# Altium PCB GridSeed_Rev03.PcbDoc (part 1 of 5) (continued)
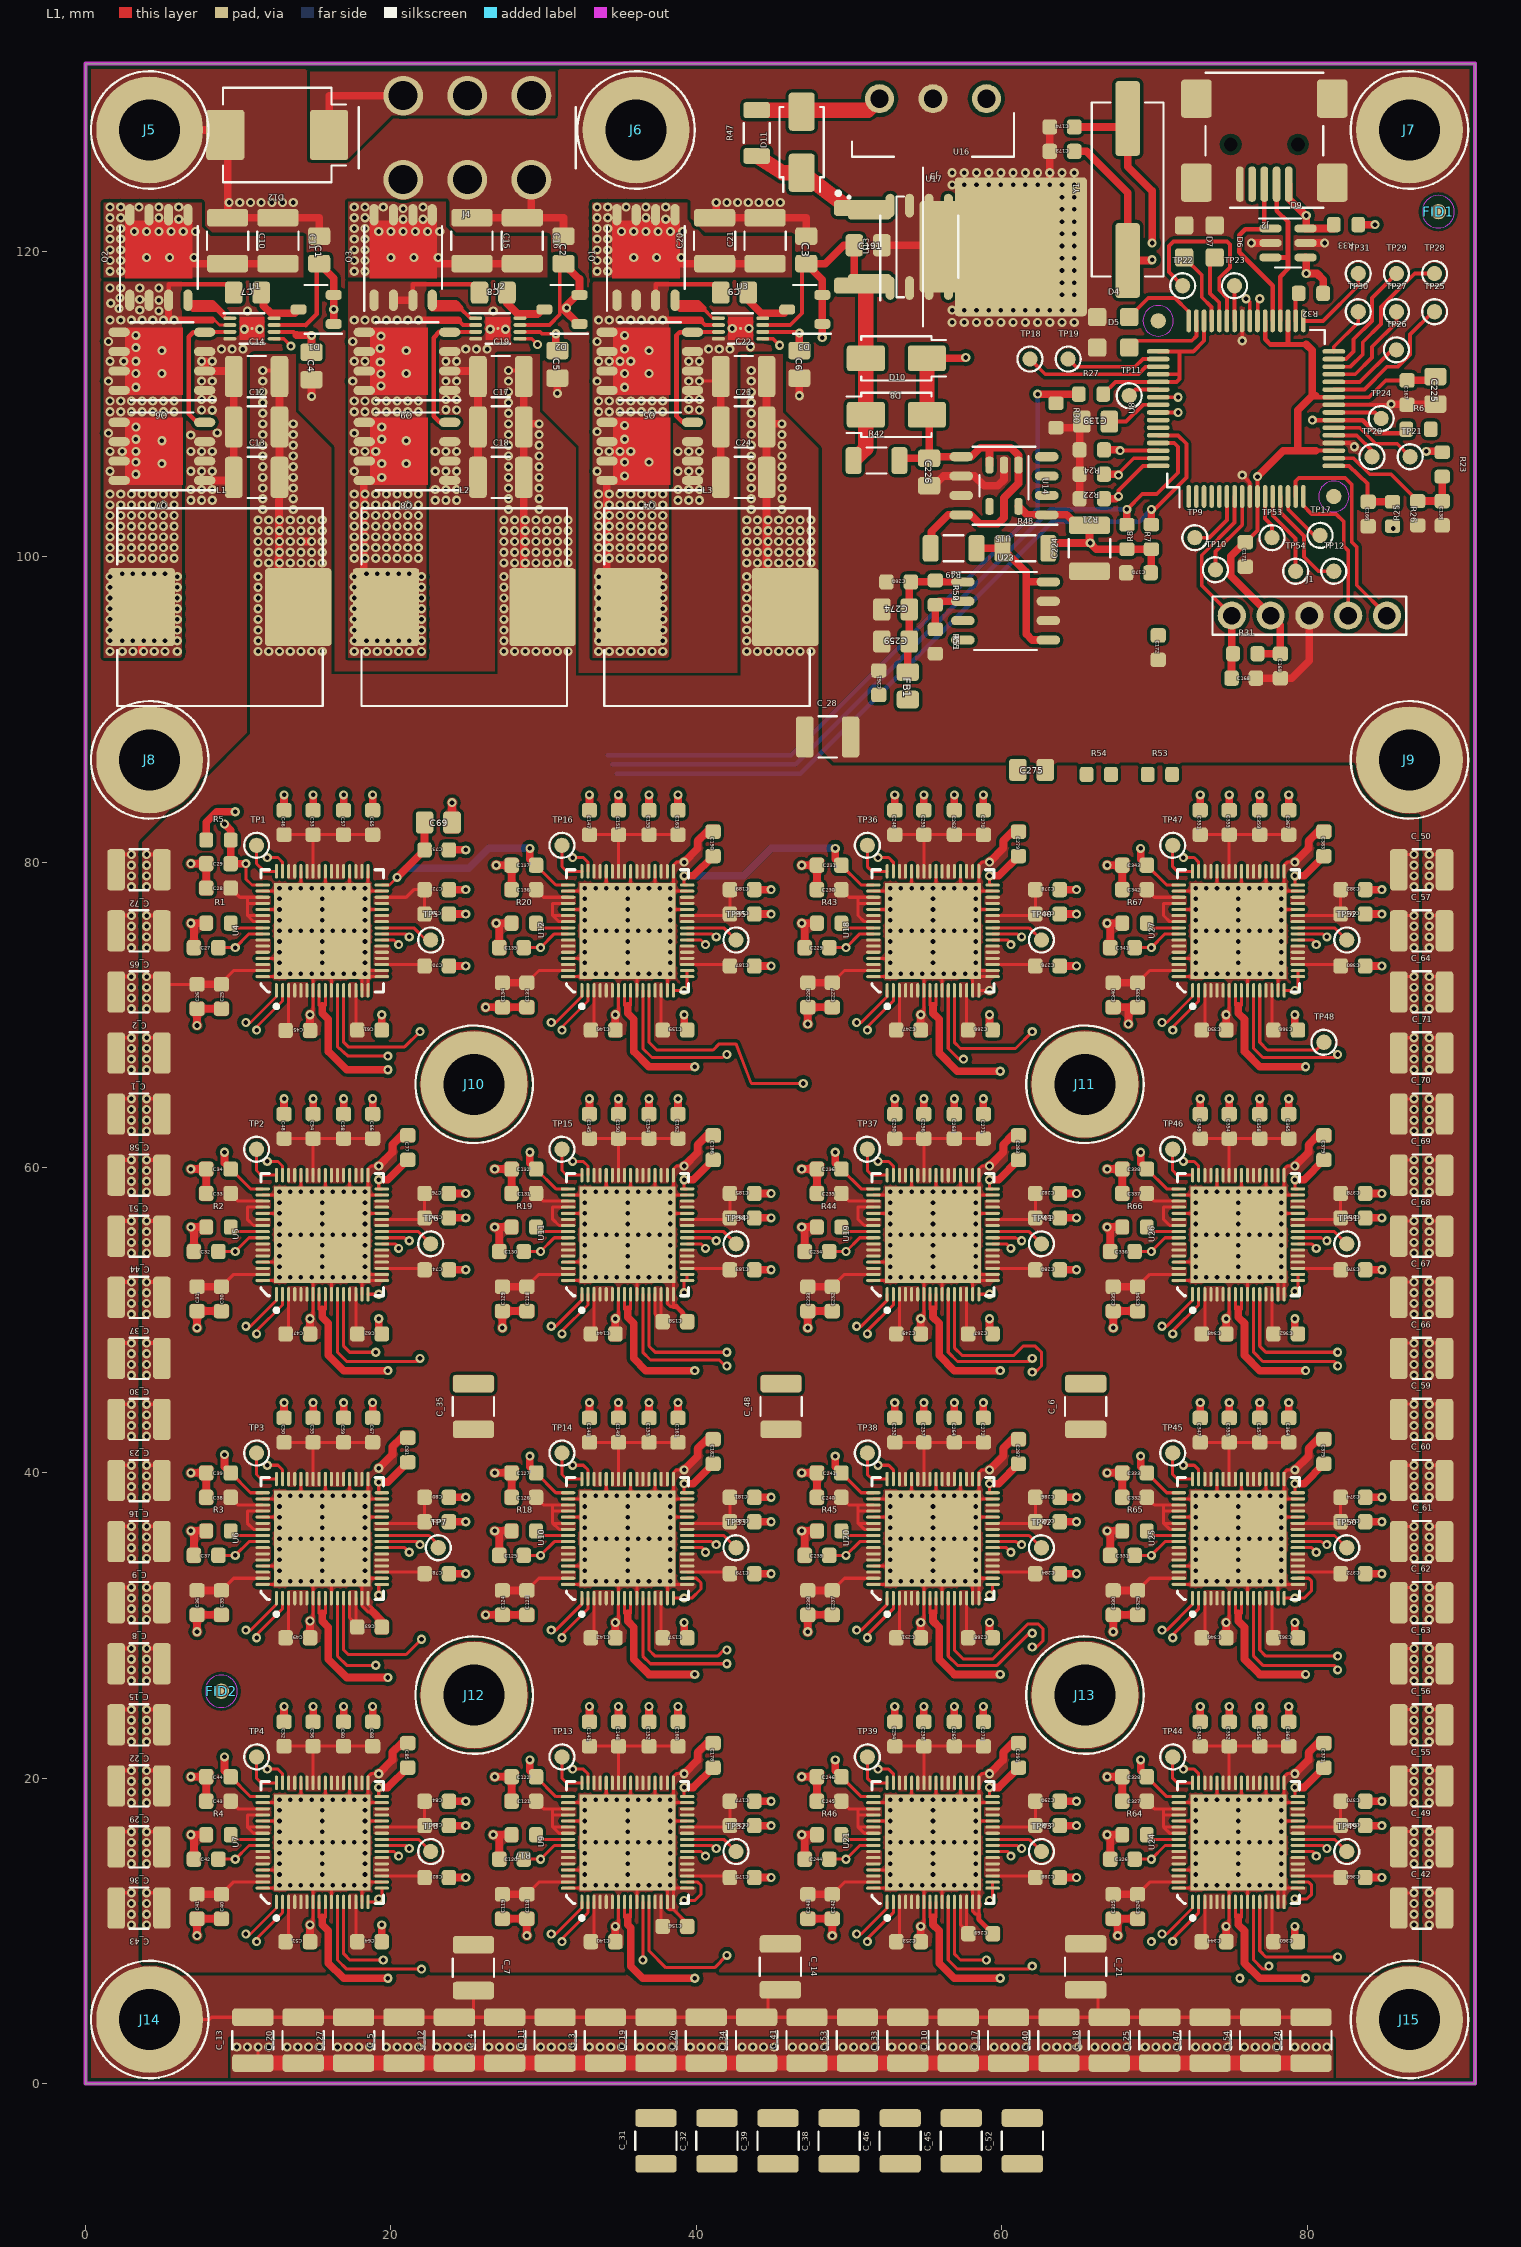
[diagram p0: L1 view]
## Design rules (kind name [scope] priority, off if disabled: settings) (continued)
PolygonConnect "Polygon Connect Style - L4 Square-rect thru-hole pad from global defaults" [IsPad And OnMultiLayer And (PadShape_BottomLayer = 'Rounded Rectangle') And (PadXSize_BottomLayer = PADYSize_BottomLayer) And (Pad_CornerRadius_BottomLayer = '0%') vs Layer = 'L4'] p35: connectstyle=Relief reliefconductorwidth=0.5 reliefentries=4 polygonreliefangle="90 Angle" airgapwidth=0.254
PolygonConnect "Polygon Connect Style - L3 Rect thru-hole pad from global defaults" [IsPad And OnMultiLayer And ((PadShape_MidLayer2 = 'Rectangular') Or (PadShape_MidLayer2 = 'Octagonal') Or (PadShape_MidLayer2 = 'Rounded Rectangle')) And (PadXSize_MidLayer2 <> PADYSize_MidLayer2) vs Layer = 'L3'] p36: connectstyle=Relief reliefconductorwidth=0.5 reliefentries=4 polygonreliefangle="90 Angle" airgapwidth=0.254
PolygonConnect "Polygon Connect Style - L3 Square-rect thru-hole pad from global defaults" [IsPad And OnMultiLayer And (PadShape_MidLayer2 = 'Rounded Rectangle') And (PadXSize_MidLayer2 = PADYSize_MidLayer2) And (Pad_CornerRadius_MidLayer2 = '0%') vs Layer = 'L3'] p37: connectstyle=Relief reliefconductorwidth=0.5 reliefentries=4 polygonreliefangle="90 Angle" airgapwidth=0.254
PolygonConnect "Polygon Connect Style - L2 Rect thru-hole pad from global defaults" [IsPad And OnMultiLayer And ((PadShape_MidLayer1 = 'Rectangular') Or (PadShape_MidLayer1 = 'Octagonal') Or (PadShape_MidLayer1 = 'Rounded Rectangle')) And (PadXSize_MidLayer1 <> PADYSize_MidLayer1) vs Layer = 'L2'] p38: connectstyle=Relief reliefconductorwidth=0.5 reliefentries=4 polygonreliefangle="90 Angle" airgapwidth=0.254
PolygonConnect "Polygon Connect Style - L2 Square-rect thru-hole pad from global defaults" [IsPad And OnMultiLayer And (PadShape_MidLayer1 = 'Rounded Rectangle') And (PadXSize_MidLayer1 = PADYSize_MidLayer1) And (Pad_CornerRadius_MidLayer1 = '0%') vs Layer = 'L2'] p39: connectstyle=Relief reliefconductorwidth=0.5 reliefentries=4 polygonreliefangle="90 Angle" airgapwidth=0.254
PolygonConnect "Polygon Connect Style - L1 Rect thru-hole pad from global defaults" [IsPad And OnMultiLayer And ((PadShape_TopLayer = 'Rectangular') Or (PadShape_TopLayer = 'Octagonal') Or (PadShape_TopLayer = 'Rounded Rectangle')) And (PadXSize_TopLayer <> PADYSize_TopLayer) vs Layer = 'L1'] p40: connectstyle=Relief reliefconductorwidth=0.5 reliefentries=4 polygonreliefangle="90 Angle" airgapwidth=0.254
PolygonConnect "Polygon Connect Style - L1 Square-rect thru-hole pad from global defaults" [IsPad And OnMultiLayer And (PadShape_TopLayer = 'Rounded Rectangle') And (PadXSize_TopLayer = PADYSize_TopLayer) And (Pad_CornerRadius_TopLayer = '0%') vs Layer = 'L1'] p41: connectstyle=Relief reliefconductorwidth=0.5 reliefentries=4 polygonreliefangle="90 Angle" airgapwidth=0.254
PolygonConnect "Polygon Connect Style - L4 Oval thru-hole pad from global defaults" [IsPad And OnMultiLayer And (PadShape_BottomLayer = 'Round') And (PadXSize_BottomLayer <> PADYSize_BottomLayer) vs Layer = 'L4'] p42: connectstyle=Relief reliefconductorwidth=0.5 reliefentries=4 polygonreliefangle="90 Angle" airgapwidth=0.254
PolygonConnect "Polygon Connect Style - L4 Round-oval thru-hole pad from global defaults" [IsPad And OnMultiLayer And (PadShape_BottomLayer = 'Rounded Rectangle') And (PadXSize_BottomLayer = PADYSize_BottomLayer) And (Pad_CornerRadius_BottomLayer = '100%') vs Layer = 'L4'] p43: connectstyle=Relief reliefconductorwidth=0.5 reliefentries=4 polygonreliefangle="90 Angle" airgapwidth=0.254
PolygonConnect "Polygon Connect Style - L3 Oval thru-hole pad from global defaults" [IsPad And OnMultiLayer And (PadShape_MidLayer2 = 'Round') And (PadXSize_MidLayer2 <> PADYSize_MidLayer2) vs Layer = 'L3'] p44: connectstyle=Relief reliefconductorwidth=0.5 reliefentries=4 polygonreliefangle="90 Angle" airgapwidth=0.254
PolygonConnect "Polygon Connect Style - L3 Round-oval thru-hole pad from global defaults" [IsPad And OnMultiLayer And (PadShape_MidLayer2 = 'Rounded Rectangle') And (PadXSize_MidLayer2 = PADYSize_MidLayer2) And (Pad_CornerRadius_MidLayer2 = '100%') vs Layer = 'L3'] p45: connectstyle=Relief reliefconductorwidth=0.5 reliefentries=4 polygonreliefangle="90 Angle" airgapwidth=0.254
PolygonConnect "Polygon Connect Style - L2 Oval thru-hole pad from global defaults" [IsPad And OnMultiLayer And (PadShape_MidLayer1 = 'Round') And (PadXSize_MidLayer1 <> PADYSize_MidLayer1) vs Layer = 'L2'] p46: connectstyle=Relief reliefconductorwidth=0.5 reliefentries=4 polygonreliefangle="90 Angle" airgapwidth=0.254
PolygonConnect "Polygon Connect Style - L2 Round-oval thru-hole pad from global defaults" [IsPad And OnMultiLayer And (PadShape_MidLayer1 = 'Rounded Rectangle') And (PadXSize_MidLayer1 = PADYSize_MidLayer1) And (Pad_CornerRadius_MidLayer1 = '100%') vs Layer = 'L2'] p47: connectstyle=Relief reliefconductorwidth=0.5 reliefentries=4 polygonreliefangle="90 Angle" airgapwidth=0.254
PolygonConnect "Polygon Connect Style - L1 Oval thru-hole pad from global defaults" [IsPad And OnMultiLayer And (PadShape_TopLayer = 'Round') And (PadXSize_TopLayer <> PADYSize_TopLayer) vs Layer = 'L1'] p48: connectstyle=Relief reliefconductorwidth=0.5 reliefentries=4 polygonreliefangle="90 Angle" airgapwidth=0.254
PolygonConnect "Polygon Connect Style - L1 Round-oval thru-hole pad from global defaults" [IsPad And OnMultiLayer And (PadShape_TopLayer = 'Rounded Rectangle') And (PadXSize_TopLayer = PADYSize_TopLayer) And (Pad_CornerRadius_TopLayer = '100%') vs Layer = 'L1'] p49: connectstyle=Relief reliefconductorwidth=0.5 reliefentries=4 polygonreliefangle="90 Angle" airgapwidth=0.254
PolygonConnect [All] p50: connectstyle=Relief reliefconductorwidth=0.254 reliefentries=4 polygonreliefangle="90 Angle" airgapwidth=0.254
RoutingLayers "'Default' PADS rule_3" [All] p1: top layer_v5=TRUE mid layer 1_v5=TRUE mid layer 2_v5=TRUE bottom layer_v5=TRUE
RoutingPriority "'Default' PADS rule_2" [All] p1: routingpriority=3
RoutingTopology "'Default' PADS rule" [All] p1: topology=Shortest
RoutingVias "'Default' PADS rule_4" [All] p1: holewidth=0.3 width=0.6 viastyle="Through Hole" minholewidth=0.3 minwidth=0.6 maxholewidth=0.3 maxwidth=0.6
SMDToCorner "'All on Layer' PADS rule_33" [OnLayer('L1') vs OnLayer('L1')] p1: distance=39370
SMDToCorner "'Default' PADS rule_17" [All] p2: distance=39370
SMDToPlane "'All on Layer' PADS rule_34" [OnLayer('L1') vs OnLayer('L1')] p1: distance=39370
SMDToPlane "'Default' PADS rule_18" [All] p2: distance=39370
SolderMaskExpansion [All] p1: expansion=0.102
StubLength "'Default' PADS rule_6" [All] p1: limit=25.4
Width "'All on Layer' PADS rule" [OnLayer('L1') vs OnLayer('L1')] p1: maxlimit=3 minlimit=0.2 preferedwidth=0.2
Width "'Default' PADS rule_14" [All] p2: maxlimit=3 minlimit=0.2 preferedwidth=0.3
22 further rules are at their usual default settings.

## Components (designator, comment, footprint, x,y, rotation, side; value= is the part's Value field where it differs from the comment)
C1 "C" SMD_0805_CAPC2012X145N 15.3,120.1 r270 top
C2 "C" SMD_0805_CAPC2012X145N 31.3,120.1 r270 top
C3 "C" SMD_0805_CAPC2012X145N 47.2,120.1 r270 top
C4 "C" SMD_0805_CAPC2012X145N 14.8,112.5 r270 top
C5 "C" SMD_0805_CAPC2012X145N 30.9,112.6 r270 top
C6 "C" SMD_0805_CAPC2012X145N 46.75,112.6 r270 top
C7 "C" SMD_0805_CAPC2012X145N 10.6,117.3 r180 top
C8 "C" SMD_0805_CAPC2012X145N 26.7,117.3 r180 top
C9 "C" SMD_0805_CAPC2012X145N 42.5,117.3 r180 top
C10 "C" SMD_1210_CAPC3225X270N 9.3,120.7 r270 top
C11 "C" SMD_1210_CAPC3225X270N 12.6,120.7 r270 top
C12 "C" SMD_1210_CAPC3225X279N 11.2,108.5 r0 top
C13 "C" SMD_1210_CAPC3225X279N 11.2,105.2 r0 top
C14 "C" SMD_1210_CAPC3225X279N 11.2,111.8 r0 top
C15 "C" SMD_1210_CAPC3225X270N 25.3,120.7 r270 top
C16 "C" SMD_1210_CAPC3225X270N 28.6,120.7 r270 top
C17 "C" SMD_1210_CAPC3225X279N 27.2,108.5 r0 top
C18 "C" SMD_1210_CAPC3225X279N 27.2,105.2 r0 top
C19 "C" SMD_1210_CAPC3225X279N 27.2,111.8 r0 top
C20 "C" SMD_1210_CAPC3225X270N 41.2,120.7 r90 top
C21 "C" SMD_1210_CAPC3225X270N 44.5,120.7 r90 top
C22 "C" SMD_1210_CAPC3225X279N 43.1,111.8 r0 top
C23 "C" SMD_1210_CAPC3225X279N 43.1,108.5 r0 top
C24 "C" SMD_1210_CAPC3225X279N 43.1,105.2 r0 top
C25 "C" SMD_0603_CAPC1608X95N 8.9,71.2 r90 top
C26 "C" SMD_0603_CAPC1608X95N 7.3,71.2 r90 top
C27 "C" SMD_0603_CAPC1608X95N 7.9,74.4 r0 top
C28 "C" SMD_0603_CAPC1608X95N 8.7,78.3 r0 top
C29 "C" SMD_0603_CAPC1608X95N 8.7,79.9 r0 top
C30 "C" SMD_0603_CAPC1608X95N 8.9,51.4 r90 top
C31 "C" SMD_0603_CAPC1608X95N 7.3,51.4 r90 top
C32 "C" SMD_0603_CAPC1608X95N 7.9,54.5 r0 top
C33 "C" SMD_0603_CAPC1608X95N 8.7,58.3 r0 top
C34 "C" SMD_0603_CAPC1608X95N 8.7,59.9 r0 top
C35 "C" SMD_0603_CAPC1608X95N 8.9,31.5 r90 top
C36 "C" SMD_0603_CAPC1608X95N 7.3,31.5 r90 top
C37 "C" SMD_0603_CAPC1608X95N 7.9,34.6 r0 top
C38 "C" SMD_0603_CAPC1608X95N 8.7,38.4 r0 top
C39 "C" SMD_0603_CAPC1608X95N 8.7,40 r0 top
C40 "C" SMD_0603_CAPC1608X95N 8.9,11.6 r90 top
C41 "C" SMD_0603_CAPC1608X95N 7.3,11.6 r90 top
C42 "C" SMD_0603_CAPC1608X95N 7.9,14.7 r0 top
C43 "C" SMD_0603_CAPC1608X95N 8.7,18.5 r0 top
C44 "C" SMD_0603_CAPC1608X95N 8.7,20.1 r0 top
C45 "C" SMD_0603_CAPC1608X95N 13.9,68.977 r180 top
C46 "C" SMD_0603_CAPC1608X95N 13,82.6 r270 top
C47 "C" SMD_0603_CAPC1608X95N 13.9,49.1 r180 top
C48 "C" SMD_0603_CAPC1608X95N 13,62.7 r270 top
C49 "C" SMD_0603_CAPC1608X95N 13.9,29.2 r180 top
C50 "C" SMD_0603_CAPC1608X95N 13,42.8 r270 top
C51 "C" SMD_0603_CAPC1608X95N 13.9,9.3 r180 top
C52 "C" SMD_0603_CAPC1608X95N 13,22.9 r270 top
C53 "C" SMD_0603_CAPC1608X95N 14.9,82.6 r270 top
C54 "C" SMD_0603_CAPC1608X95N 14.9,62.7 r270 top
C55 "C" SMD_0603_CAPC1608X95N 14.9,42.8 r270 top
C56 "C" SMD_0603_CAPC1608X95N 14.9,22.9 r270 top
C57 "C" SMD_0603_CAPC1608X95N 16.9,82.6 r270 top
C58 "C" SMD_0603_CAPC1608X95N 16.9,62.7 r270 top
C59 "C" SMD_0603_CAPC1608X95N 16.9,42.8 r270 top
C60 "C" SMD_0603_CAPC1608X95N 16.9,22.9 r270 top
C61 "C" SMD_0603_CAPC1608X95N 18.6,69 r180 top
C62 "C" SMD_0603_CAPC1608X95N 18.6,49.1 r180 top
C63 "C" SMD_0603_CAPC1608X95N 18.6,29.9 r180 top
C64 "C" SMD_0603_CAPC1608X95N 18.6,9.3 r180 top
C65 "C" SMD_0603_CAPC1608X95N 18.8,82.6 r270 top
C66 "C" SMD_0603_CAPC1608X95N 18.8,62.7 r270 top
C67 "C" SMD_0603_CAPC1608X95N 18.8,42.8 r270 top
C68 "C" SMD_0603_CAPC1608X95N 18.8,22.9 r270 top
C69 "C" SMD_0805_CAPC2012X145N 23.1,82.6 r0 top
C70 "C" SMD_0603_CAPC1608X95N 23,73.2 r180 top
C71 "C" SMD_0603_CAPC1608X95N 23,76.6 r180 top
C72 "C" SMD_0603_CAPC1608X95N 23,78.2 r180 top
C73 "C" SMD_0603_CAPC1608X95N 23,80.8 r180 top
C74 "C" SMD_0603_CAPC1608X95N 23,53.3 r180 top
C75 "C" SMD_0603_CAPC1608X95N 23,56.7 r180 top
C76 "C" SMD_0603_CAPC1608X95N 23,58.3 r180 top
C77 "C" SMD_0603_CAPC1608X95N 21.1,61.3 r270 top
C78 "C" SMD_0603_CAPC1608X95N 23,33.4 r180 top
C79 "C" SMD_0603_CAPC1608X95N 23,36.8 r180 top
C80 "C" SMD_0603_CAPC1608X95N 23,38.4 r180 top
C81 "C" SMD_0603_CAPC1608X95N 21.1,41.5 r270 top
C82 "C" SMD_0603_CAPC1608X95N 23,13.5 r180 top
C83 "C" SMD_0603_CAPC1608X95N 23,16.9 r180 top
C84 "C" SMD_0603_CAPC1608X95N 23,18.5 r180 top
C85 "C" SMD_0603_CAPC1608X95N 21.1,21.5 r270 top
C118 "C" SMD_0603_CAPC1608X95N 28.9,11.6 r90 top
C119 "C" SMD_0603_CAPC1608X95N 27.3,11.6 r90 top
C120 "C" SMD_0603_CAPC1608X95N 27.9,14.7 r0 top
C121 "C" SMD_0603_CAPC1608X95N 28.7,18.5 r0 top
C122 "C" SMD_0603_CAPC1608X95N 28.7,20.1 r0 top
C123 "C" SMD_0603_CAPC1608X95N 28.9,31.5 r90 top
C124 "C" SMD_0603_CAPC1608X95N 27.3,31.5 r90 top
C125 "C" SMD_0603_CAPC1608X95N 27.9,34.6 r0 top
C126 "C" SMD_0603_CAPC1608X95N 28.7,38.4 r0 top
C127 "C" SMD_0603_CAPC1608X95N 28.7,40 r0 top
C128 "C" SMD_0603_CAPC1608X95N 28.9,51.4 r90 top
C129 "C" SMD_0603_CAPC1608X95N 27.3,51.4 r90 top
C130 "C" SMD_0603_CAPC1608X95N 27.9,54.5 r0 top
C131 "C" SMD_0603_CAPC1608X95N 28.7,58.3 r0 top
C132 "C" SMD_0603_CAPC1608X95N 28.7,59.9 r0 top
C133 "C" SMD_0603_CAPC1608X95N 28.9,71.3 r90 top
C134 "C" SMD_0603_CAPC1608X95N 27.3,71.3 r90 top
C135 "C" SMD_0603_CAPC1608X95N 27.9,74.4 r0 top
C136 "C" SMD_0603_CAPC1608X95N 28.7,78.2 r0 top
C137 "C" SMD_0603_CAPC1608X95N 28.7,79.8 r0 top
C138 "C" SMD_0603_CAPC1608X95N 88.85,102.85 r270 top
C139 "C" SMD_0805_CAPC2012X145N 66.15,108.85 r180 top
C140 "C" SMD_0603_CAPC1608X95N 33.9,9.3 r180 top
C141 "C" SMD_0603_CAPC1608X95N 33,22.9 r270 top
C142 "C" SMD_0603_CAPC1608X95N 33.9,29.2 r180 top
C143 "C" SMD_0603_CAPC1608X95N 33,42.8 r270 top
C144 "C" SMD_0603_CAPC1608X95N 33.9,49.1 r180 top
C145 "C" SMD_0603_CAPC1608X95N 33,62.7 r270 top
C146 "C" SMD_0603_CAPC1608X95N 33.9,69 r180 top
C147 "C" SMD_0603_CAPC1608X95N 33,82.6 r270 top
C148 "C" SMD_0603_CAPC1608X95N 34.9,22.9 r270 top
C149 "C" SMD_0603_CAPC1608X95N 34.9,42.8 r270 top
C150 "C" SMD_0603_CAPC1608X95N 34.9,62.7 r270 top
C151 "C" SMD_0603_CAPC1608X95N 34.9,82.6 r270 top
C152 "C" SMD_0603_CAPC1608X95N 36.9,22.9 r270 top
C153 "C" SMD_0603_CAPC1608X95N 36.9,42.8 r270 top
C154 "C" SMD_0603_CAPC1608X95N 36.9,62.7 r270 top
C155 "C" SMD_0603_CAPC1608X95N 36.9,82.6 r270 top
C156 "C" SMD_0603_CAPC1608X95N 38.6,10.3 r180 top
C157 "C" SMD_0603_CAPC1608X95N 38.6,29.2 r180 top
C158 "C" SMD_0603_CAPC1608X95N 38.6,49.9 r180 top
C159 "C" SMD_0603_CAPC1608X95N 38.6,69 r180 top
C160 "C" SMD_0603_CAPC1608X95N 38.8,22.9 r270 top
C161 "C" SMD_0603_CAPC1608X95N 38.8,42.8 r270 top
C162 "C" SMD_0603_CAPC1608X95N 38.8,62.7 r270 top
C163 "C" SMD_0603_CAPC1608X95N 38.8,82.6 r270 top
C166 "C" SMD_0603_CAPC1608X95N 84,102.8 r270 top
C167 "C" SMD_0603_CAPC1608X95N 86.55,110.75 r270 top
C168 "C" SMD_0603_CAPC1608X95N 75.85,92.05 r0 top
C169 "C" SMD_0603_CAPC1608X95N 78.25,92.85 r270 top
C170 "C" SMD_0603_CAPC1608X95N 68.95,98.95 r180 top
C171 "C" SMD_0603_CAPC1608X95N 75.95,100.15 r270 top
C172 "C" SMD_0603_CAPC1608X95N 70.25,94.05 r270 top
C173 "C" SMD_0603_CAPC1608X95N 63.95,126.55 r180 top
C174 "C" SMD_0603_CAPC1608X95N 63.95,128.15 r180 top
C175 "C" SMD_0603_CAPC1608X95N 43,13.5 r180 top
C176 "C" SMD_0603_CAPC1608X95N 43,16.9 r180 top
C177 "C" SMD_0603_CAPC1608X95N 43,18.5 r180 top
C178 "C" SMD_0603_CAPC1608X95N 41.1,21.5 r270 top
C179 "C" SMD_0603_CAPC1608X95N 43,33.4 r180 top
C180 "C" SMD_0603_CAPC1608X95N 43,36.8 r180 top
C181 "C" SMD_0603_CAPC1608X95N 43,38.4 r180 top
C182 "C" SMD_0603_CAPC1608X95N 41.1,41.4 r270 top
C183 "C" SMD_0603_CAPC1608X95N 43,53.3 r180 top
C184 "C" SMD_0603_CAPC1608X95N 43,56.7 r180 top
C185 "C" SMD_0603_CAPC1608X95N 43,58.3 r180 top
C186 "C" SMD_0603_CAPC1608X95N 41.1,61.3 r270 top
C187 "C" SMD_0603_CAPC1608X95N 43,73.2 r180 top
C188 "C" SMD_0603_CAPC1608X95N 43,76.6 r180 top
C189 "C" SMD_0603_CAPC1608X95N 43,78.2 r180 top
C190 "C" SMD_0603_CAPC1608X95N 41.1,81.2 r270 top
C191 "C" SMD_0805_CAPC2012X145N 51.25,120.4 r0 top
C224 "C" SMD_1210_CAPC3225X279N 65.75,100.55 r90 top
C225 "C" SMD_0805_CAPC2012X145N 88.4,110.9 r270 top
C226 "C" SMD_0805_CAPC2012X145N 55.25,105.55 r270 top
C227 "C" SMD_0603_CAPC1608X95N 48.9,71.3 r90 top
C228 "C" SMD_0603_CAPC1608X95N 47.3,71.3 r90 top
C229 "C" SMD_0603_CAPC1608X95N 47.9,74.4 r0 top
C230 "C" SMD_0603_CAPC1608X95N 48.7,78.2 r0 top
C231 "C" SMD_0603_CAPC1608X95N 48.7,79.8 r0 top
C232 "C" SMD_0603_CAPC1608X95N 48.9,51.4 r90 top
C233 "C" SMD_0603_CAPC1608X95N 47.3,51.4 r90 top
C234 "C" SMD_0603_CAPC1608X95N 47.9,54.5 r0 top
C235 "C" SMD_0603_CAPC1608X95N 48.7,58.3 r0 top
C236 "C" SMD_0603_CAPC1608X95N 48.7,59.9 r0 top
C237 "C" SMD_0603_CAPC1608X95N 48.9,31.5 r90 top
C238 "C" SMD_0603_CAPC1608X95N 47.3,31.5 r90 top
C239 "C" SMD_0603_CAPC1608X95N 47.9,34.6 r0 top
C240 "C" SMD_0603_CAPC1608X95N 48.7,38.4 r0 top
C241 "C" SMD_0603_CAPC1608X95N 48.7,40 r0 top
C242 "C" SMD_0603_CAPC1608X95N 48.9,11.6 r90 top
C243 "C" SMD_0603_CAPC1608X95N 47.3,11.6 r90 top
C244 "C" SMD_0603_CAPC1608X95N 47.9,14.7 r0 top
C245 "C" SMD_0603_CAPC1608X95N 48.7,18.5 r0 top
C246 "C" SMD_0603_CAPC1608X95N 48.7,20.1 r0 top
C247 "C" SMD_0603_CAPC1608X95N 53.9,69 r180 top
C248 "C" SMD_0603_CAPC1608X95N 53,82.6 r270 top
C249 "C" SMD_0603_CAPC1608X95N 53.9,49.1 r180 top
C250 "C" SMD_0603_CAPC1608X95N 53,62.7 r270 top
C251 "C" SMD_0603_CAPC1608X95N 53.9,29.2 r180 top
C252 "C" SMD_0603_CAPC1608X95N 53,42.8 r270 top
C253 "C" SMD_0603_CAPC1608X95N 53.9,9.3 r180 top
C254 "C" SMD_0603_CAPC1608X95N 53,22.9 r270 top
C255 "C" SMD_0603_CAPC1608X95N 54.9,82.6 r270 top
C256 "C" SMD_0603_CAPC1608X95N 54.9,62.7 r270 top
C257 "C" SMD_0603_CAPC1608X95N 54.9,42.8 r270 top
C258 "C" SMD_0603_CAPC1608X95N 54.9,22.9 r270 top
C259 "C" SMD_0805_CAPC2012X145N 53.05,94.45 r180 top
C260 "C" SMD_0603_CAPC1608X95N 53.25,98.35 r180 top
C261 "C" SMD_0603_CAPC1608X95N 51.95,91.75 r90 top
C262 "C" SMD_0603_CAPC1608X95N 56.9,82.6 r270 top
C263 "C" SMD_0603_CAPC1608X95N 56.9,62.7 r270 top
C264 "C" SMD_0603_CAPC1608X95N 56.9,42.8 r270 top
C265 "C" SMD_0603_CAPC1608X95N 56.9,22.9 r270 top
C266 "C" SMD_0603_CAPC1608X95N 58.6,69 r180 top
C267 "C" SMD_0603_CAPC1608X95N 58.6,49.1 r180 top
C268 "C" SMD_0603_CAPC1608X95N 58.6,29.2 r180 top
C269 "C" SMD_0603_CAPC1608X95N 58.624,9.819 r180 top
C270 "C" SMD_0603_CAPC1608X95N 58.8,82.6 r270 top
C271 "C" SMD_0603_CAPC1608X95N 58.8,62.7 r270 top
C272 "C" SMD_0603_CAPC1608X95N 58.8,42.8 r270 top
C273 "C" SMD_0603_CAPC1608X95N 58.8,22.9 r270 top
C274 "C" SMD_0805_CAPC2012X145N 53.05,96.55 r180 top
C275 "C" SMD_0805_CAPC2012X145N 61.957,86.044 r0 top
C276 "C" SMD_0603_CAPC1608X95N 63,73.2 r180 top
C277 "C" SMD_0603_CAPC1608X95N 63,76.6 r180 top
C278 "C" SMD_0603_CAPC1608X95N 63,78.2 r180 top
C279 "C" SMD_0603_CAPC1608X95N 61.1,81.2 r270 top
C280 "C" SMD_0603_CAPC1608X95N 63,53.3 r180 top
C281 "C" SMD_0603_CAPC1608X95N 63,56.7 r180 top
C282 "C" SMD_0603_CAPC1608X95N 63,58.3 r180 top
C283 "C" SMD_0603_CAPC1608X95N 61.1,61.3 r270 top
C284 "C" SMD_0603_CAPC1608X95N 63,33.4 r180 top
C285 "C" SMD_0603_CAPC1608X95N 63,36.8 r180 top
C286 "C" SMD_0603_CAPC1608X95N 63,38.4 r180 top
C287 "C" SMD_0603_CAPC1608X95N 61.1,41.4 r270 top
C288 "C" SMD_0603_CAPC1608X95N 63,13.5 r180 top
C289 "C" SMD_0603_CAPC1608X95N 63,16.9 r180 top
C290 "C" SMD_0603_CAPC1608X95N 63,18.5 r180 top
C291 "C" SMD_0603_CAPC1608X95N 61.1,21.5 r270 top
C324 "C" SMD_0603_CAPC1608X95N 68.9,11.6 r90 top
C325 "C" SMD_0603_CAPC1608X95N 67.3,11.6 r90 top
C326 "C" SMD_0603_CAPC1608X95N 67.9,14.7 r0 top
C327 "C" SMD_0603_CAPC1608X95N 68.7,18.5 r0 top
C328 "C" SMD_0603_CAPC1608X95N 68.7,20.1 r0 top
C329 "C" SMD_0603_CAPC1608X95N 68.9,31.5 r90 top
C330 "C" SMD_0603_CAPC1608X95N 67.3,31.5 r90 top
C331 "C" SMD_0603_CAPC1608X95N 67.9,34.6 r0 top
C332 "C" SMD_0603_CAPC1608X95N 68.7,38.4 r0 top
C333 "C" SMD_0603_CAPC1608X95N 68.7,40 r0 top
C334 "C" SMD_0603_CAPC1608X95N 68.9,51.4 r90 top
C335 "C" SMD_0603_CAPC1608X95N 67.3,51.4 r90 top
C336 "C" SMD_0603_CAPC1608X95N 67.9,54.5 r0 top
C337 "C" SMD_0603_CAPC1608X95N 68.7,58.3 r0 top
C338 "C" SMD_0603_CAPC1608X95N 68.7,59.9 r0 top
C339 "C" SMD_0603_CAPC1608X95N 68.9,71.3 r90 top
C340 "C" SMD_0603_CAPC1608X95N 67.3,71.3 r90 top
C341 "C" SMD_0603_CAPC1608X95N 67.9,74.4 r0 top
C342 "C" SMD_0603_CAPC1608X95N 68.7,78.2 r0 top
C343 "C" SMD_0603_CAPC1608X95N 68.7,79.8 r0 top
C344 "C" SMD_0603_CAPC1608X95N 73.9,9.3 r180 top
C345 "C" SMD_0603_CAPC1608X95N 73,22.9 r270 top
C346 "C" SMD_0603_CAPC1608X95N 73.9,29.2 r180 top
C347 "C" SMD_0603_CAPC1608X95N 73,42.8 r270 top
C348 "C" SMD_0603_CAPC1608X95N 73.9,49.1 r180 top
C349 "C" SMD_0603_CAPC1608X95N 73,62.7 r270 top
C350 "C" SMD_0603_CAPC1608X95N 73.9,69 r180 top
C351 "C" SMD_0603_CAPC1608X95N 73,82.6 r270 top
C352 "C" SMD_0603_CAPC1608X95N 74.9,22.9 r270 top
C353 "C" SMD_0603_CAPC1608X95N 74.9,42.8 r270 top
C354 "C" SMD_0603_CAPC1608X95N 74.9,62.7 r270 top
C355 "C" SMD_0603_CAPC1608X95N 74.9,82.6 r270 top
C356 "C" SMD_0603_CAPC1608X95N 76.9,22.9 r270 top
C357 "C" SMD_0603_CAPC1608X95N 76.9,42.8 r270 top
C358 "C" SMD_0603_CAPC1608X95N 76.9,62.7 r270 top
C359 "C" SMD_0603_CAPC1608X95N 76.9,82.6 r270 top
C360 "C" SMD_0603_CAPC1608X95N 78.6,9.3 r180 top
C361 "C" SMD_0603_CAPC1608X95N 78.6,29.2 r180 top
C362 "C" SMD_0603_CAPC1608X95N 78.6,49.1 r180 top
C363 "C" SMD_0603_CAPC1608X95N 78.8,22.9 r270 top
C364 "C" SMD_0603_CAPC1608X95N 78.8,42.8 r270 top
C365 "C" SMD_0603_CAPC1608X95N 78.8,62.7 r270 top
C366 "C" SMD_0603_CAPC1608X95N 78.6,69 r180 top
C367 "C" SMD_0603_CAPC1608X95N 78.8,82.6 r270 top
C368 "C" SMD_0603_CAPC1608X95N 83,13.5 r180 top
C369 "C" SMD_0603_CAPC1608X95N 83,16.9 r180 top
C370 "C" SMD_0603_CAPC1608X95N 83,18.5 r180 top
C371 "C" SMD_0603_CAPC1608X95N 81.1,21.5 r270 top
C372 "C" SMD_0603_CAPC1608X95N 83,33.4 r180 top
C373 "C" SMD_0603_CAPC1608X95N 83,36.8 r180 top
C374 "C" SMD_0603_CAPC1608X95N 83,38.4 r180 top
C375 "C" SMD_0603_CAPC1608X95N 81.1,41.4 r270 top
C376 "C" SMD_0603_CAPC1608X95N 83,53.3 r180 top
C377 "C" SMD_0603_CAPC1608X95N 83,56.7 r180 top
C378 "C" SMD_0603_CAPC1608X95N 83,58.3 r180 top
C379 "C" SMD_0603_CAPC1608X95N 81.1,61.3 r270 top
C380 "C" SMD_0603_CAPC1608X95N 83,73.2 r180 top
C381 "C" SMD_0603_CAPC1608X95N 83,76.6 r180 top
C382 "C" SMD_0603_CAPC1608X95N 83,78.2 r180 top
C383 "C" SMD_0603_CAPC1608X95N 81.1,81.2 r270 top
C_1 "C" SMD_1210_CAPC3225X279N 3.5,67.5 r180 top
C_2 "C" SMD_1210_CAPC3225X279N 3.5,71.5 r180 top
C_3 "C" SMD_1210_CAPC3225X279N 34.05,2.85 r90 top
C_4 "C" SMD_1210_CAPC3225X279N 27.45,2.85 r90 top
C_5 "C" SMD_1210_CAPC3225X279N 20.85,2.85 r90 top
C_6 "C" SMD_1210_CAPC3225X279N 65.5,44.35 r90 top
C_7 "C" SMD_1210_CAPC3225X279N 25.4,7.6 r270 top
C_8 "C" SMD_1210_CAPC3225X279N 3.5,31.5 r180 top
C_9 "C" SMD_1210_CAPC3225X279N 3.5,35.5 r180 top
C_10 "C" SMD_1210_CAPC3225X279N 57.15,2.85 r90 top
C_11 "C" SMD_1210_CAPC3225X279N 30.75,2.85 r90 top
C_12 "C" SMD_1210_CAPC3225X279N 24.15,2.85 r90 top
C_13 "C" SMD_1210_CAPC3225X279N 10.95,2.85 r90 top
C_14 "C" SMD_1210_CAPC3225X279N 45.5,7.65 r270 top
C_15 "C" SMD_1210_CAPC3225X279N 3.5,27.5 r180 top
C_16 "C" SMD_1210_CAPC3225X279N 3.5,39.5 r180 top
C_17 "C" SMD_1210_CAPC3225X279N 60.45,2.85 r90 top
C_18 "C" SMD_1210_CAPC3225X279N 67.05,2.85 r90 top
C_19 "C" SMD_1210_CAPC3225X279N 37.35,2.85 r90 top
C_20 "C" SMD_1210_CAPC3225X279N 14.25,2.85 r90 top
C_21 "C" SMD_1210_CAPC3225X279N 65.5,7.65 r270 top
C_22 "C" SMD_1210_CAPC3225X279N 3.5,23.5 r180 top
C_23 "C" SMD_1210_CAPC3225X279N 3.5,43.5 r180 top
C_24 "C" SMD_1210_CAPC3225X279N 80.25,2.85 r90 top
C_25 "C" SMD_1210_CAPC3225X279N 70.35,2.85 r90 top
C_26 "C" SMD_1210_CAPC3225X279N 40.65,2.85 r90 top
C_27 "C" SMD_1210_CAPC3225X279N 17.55,2.85 r90 top
C_28 "C" SMD_1210_CAPC3225X279N 48.6,88.2 r0 top
C_29 "C" SMD_1210_CAPC3225X279N 3.5,19.5 r180 top
C_30 "C" SMD_1210_CAPC3225X279N 3.5,47.5 r180 top
C_31 "C" SMD_1210_CAPC3225X279N 37.35,-3.75 r90 top
C_32 "C" SMD_1210_CAPC3225X279N 41.35,-3.75 r90 top
C_33 "C" SMD_1210_CAPC3225X279N 53.85,2.85 r90 top
C_34 "C" SMD_1210_CAPC3225X279N 43.95,2.85 r90 top
C_35 "C" SMD_1210_CAPC3225X279N 25.4,44.35 r90 top
C_36 "C" SMD_1210_CAPC3225X279N 3.5,15.5 r180 top
C_37 "C" SMD_1210_CAPC3225X279N 3.5,51.5 r180 top
C_38 "C" SMD_1210_CAPC3225X279N 49.35,-3.75 r90 top
C_39 "C" SMD_1210_CAPC3225X279N 45.35,-3.75 r90 top
C_40 "C" SMD_1210_CAPC3225X279N 63.75,2.85 r90 top
C_41 "C" SMD_1210_CAPC3225X279N 47.25,2.85 r90 top
C_42 "C" SMD_1210_CAPC3225X279N 87.5,11.5 r0 top
C_43 "C" SMD_1210_CAPC3225X279N 3.5,11.5 r180 top
C_44 "C" SMD_1210_CAPC3225X279N 3.5,55.5 r180 top
C_45 "C" SMD_1210_CAPC3225X279N 57.35,-3.75 r90 top
C_46 "C" SMD_1210_CAPC3225X279N 53.35,-3.75 r90 top
C_47 "C" SMD_1210_CAPC3225X279N 73.65,2.85 r90 top
C_48 "C" SMD_1210_CAPC3225X279N 45.55,44.35 r90 top
C_49 "C" SMD_1210_CAPC3225X279N 87.5,15.5 r0 top
C_50 "C" SMD_1210_CAPC3225X279N 87.5,79.5 r0 top
C_51 "C" SMD_1210_CAPC3225X279N 3.5,59.5 r180 top
C_52 "C" SMD_1210_CAPC3225X279N 61.35,-3.75 r90 top
C_53 "C" SMD_1210_CAPC3225X279N 50.55,2.85 r90 top
C_54 "C" SMD_1210_CAPC3225X279N 76.95,2.85 r90 top
C_55 "C" SMD_1210_CAPC3225X279N 87.5,19.5 r0 top
C_56 "C" SMD_1210_CAPC3225X279N 87.5,23.5 r0 top
C_57 "C" SMD_1210_CAPC3225X279N 87.5,75.5 r0 top
C_58 "C" SMD_1210_CAPC3225X279N 3.5,63.5 r180 top
C_59 "C" SMD_1210_CAPC3225X279N 87.5,43.5 r0 top
C_60 "C" SMD_1210_CAPC3225X279N 87.5,39.5 r0 top
C_61 "C" SMD_1210_CAPC3225X279N 87.5,35.5 r0 top
C_62 "C" SMD_1210_CAPC3225X279N 87.5,31.5 r0 top
C_63 "C" SMD_1210_CAPC3225X279N 87.5,27.5 r0 top
C_64 "C" SMD_1210_CAPC3225X279N 87.5,71.5 r0 top
C_65 "C" SMD_1210_CAPC3225X279N 3.5,75.5 r180 top
C_66 "C" SMD_1210_CAPC3225X279N 87.5,47.5 r0 top
C_67 "C" SMD_1210_CAPC3225X279N 87.5,51.5 r0 top
C_68 "C" SMD_1210_CAPC3225X279N 87.5,55.5 r0 top
C_69 "C" SMD_1210_CAPC3225X279N 87.5,59.5 r0 top
C_70 "C" SMD_1210_CAPC3225X279N 87.5,63.5 r0 top
C_71 "C" SMD_1210_CAPC3225X279N 87.5,67.5 r0 top
C_72 "C" SMD_1210_CAPC3225X279N 3.5,79.5 r180 top
D1 "D_STKY_DUAL_A1A2CC3" SMD_SOT23_SOT95P240X120-3N 15.1,116.2 r180 top
D2 "D_STKY_DUAL_A1A2CC3" SMD_SOT23_SOT95P240X120-3N 31.2,116.2 r180 top
D3 "D_STKY_DUAL_A1A2CC3" SMD_SOT23_SOT95P240X120-3N 47.1,116.2 r180 top
D4 "Red SML210VT ROHM" SMD_0805_LED2012X100N 67.3,115.7 r0 top
D5 "Green 	SML210MT ROHM" SMD_0805_LED2012X100N 67.3,113.7 r0 top
D6 "Yellow SML210YT ROHM" SMD_0805_LED2012X100N 73.95,120.65 r270 top
D7 "Orange 	SML210DT ROHM" SMD_0805_LED2012X100N 71.95,120.65 r270 top
D8 "D_STKY" SMD_DO214AC_SMA 53.1,113 r180 top
D9 "D_TVS_QUAD_C1A2C3C4A5C6" SMD_SOT457_SOT95P275X110-6N 78.75,120.55 r0 top
D10 "D_STKY" SMD_DO214AC_SMA 53.1,109.3 r0 top
D11 "D_STKY" SMD_DO214AC_SMA 46.9,127.15 r90 top
D12 "D_TVS_UNI" SMD_DO214AC_SMC 12.55,127.625 r180 top
FB1 "L_FERRITE_BEAD" SMD_0805_INDC2012X105N 53.85,91.55 r270 top
FID1 "FIDUCIAL" FID100X200 88.6,122.6 r0 top
FID2 "FIDUCIAL" FID100X200 8.9,25.7 r0 top
J1 "CON_5PINS" PTH_HDRV05W64P254_1X05 80.15,96.15 r0 top
J2 "CON_USB_MINI_1" SMD_CON-CVILUX-CU04-SCM15B0 77.2,127 r180 top
J3 "CON_3PINS" PTH_CON_HD-351-3P 55.5,130 r180 top
J4 "CON_2ROWS_6PINS_1" PTH_CON_WR-MRC4-6P 25,127.45 r0 top
J5 "CON_1PIN" PTH_MTG400_700 4.2,127.95 r0 top
J6 "CON_1PIN" PTH_MTG400_700 36.05,127.95 r0 top
J7 "CON_1PIN" PTH_MTG400_700 86.7,127.95 r0 top
J8 "CON_1PIN" PTH_MTG400_700 4.2,86.7 r0 top
J9 "CON_1PIN" PTH_MTG400_700 86.7,86.7 r0 top
J10 "CON_1PIN" PTH_MTG400_700 25.45,65.45 r90 top
J11 "CON_1PIN" PTH_MTG400_700 65.45,65.45 r90 top
J12 "CON_1PIN" PTH_MTG400_700 25.45,25.45 r90 top
J13 "CON_1PIN" PTH_MTG400_700 65.45,25.45 r90 top
J14 "CON_1PIN" PTH_MTG400_700 4.2,4.2 r90 top
J15 "CON_1PIN" PTH_MTG400_700 86.7,4.2 r0 top
L1 "SLC1480-201MLD" SMT_INDM135130X800N 8.8,96.7 r0 top
L2 "SLC1480-201MLD" SMT_INDM135130X800N 24.8,96.7 r0 top
L3 "SLC1480-201MLD" SMT_INDM135130X800N 40.7,96.7 r0 top
Q1 "MOS_N_D1_S1S2S3G4D5D6D7D8" SMD_SOIC127P600X110-9AN 36.7,119.6 r90 top
Q2 "MOS_N_D1_S1S2S3G4D5D6D7D8" SMD_SOIC127P600X110-9AN 4.8,119.6 r90 top
Q3 "MOS_N_D1_S1S2S3G4D5D6D7D8" SMD_SOIC127P600X110-9AN 20.8,119.6 r90 top
Q4 "MOS_N_D1_S1S2S3G4D5D6D7D8" SMD_SOIC127P600X110-9AN 36.95,106.9 r180 top
Q5 "MOS_N_D1_S1S2S3G4D5D6D7D8" SMD_SOIC127P600X110-9AN 36.95,112.8 r180 top
Q6 "MOS_N_D1_S1S2S3G4D5D6D7D8" SMD_SOIC127P600X110-9AN 5,112.8 r180 top
Q7 "MOS_N_D1_S1S2S3G4D5D6D7D8" SMD_SOIC127P600X110-9AN 5,106.9 r180 top
Q8 "MOS_N_D1_S1S2S3G4D5D6D7D8" SMD_SOIC127P600X110-9AN 21.05,106.9 r180 top
Q9 "MOS_N_D1_S1S2S3G4D5D6D7D8" SMD_SOIC127P600X110-9AN 21.05,112.8 r180 top
R1 "R" SMD_0603_RESC1608X55N 8.7,76 r0 top
R2 "R" SMD_0603_RESC1608X55N 8.7,56.1 r0 top
R3 "R" SMD_0603_RESC1608X55N 8.7,36.2 r0 top
R4 "R" SMD_0603_RESC1608X55N 8.7,16.3 r0 top
R5 "R" SMD_0603_RESC1608X55N 8.7,81.45 r0 top
R6 "R" SMD_0603_RESC1608X55N 87.3,108.35 r0 top
R7 "R" SMD_0603_RESC1608X55N 68.2,101.3 r270 top
R8 "R" SMD_0603_RESC1608X55N 69.8,101.3 r90 top
R17 "R" SMD_0603_RESC1608X55N 28.7,16.3 r180 top
R18 "R" SMD_0603_RESC1608X55N 28.7,36.2 r0 top
R19 "R" SMD_0603_RESC1608X55N 28.7,56.1 r0 top
R20 "R" SMD_0603_RESC1608X55N 28.7,76 r0 top
R21 "R" SMD_0603_RESC1608X55N 65.9,103.8 r180 top
R22 "R" SMD_0603_RESC1608X55N 65.9,105.4 r180 top
R23 "R" SMD_0603_RESC1608X55N 88.85,106.05 r270 top
R24 "R" SMD_0603_RESC1608X55N 65.9,107 r180 top
R25 "R" SMD_0603_RESC1608X55N 87.25,102.85 r90 top
R26 "R" SMD_0603_RESC1608X55N 85.6,102.8 r270 top
R27 "R" SMD_0603_RESC1608X55N 65.85,110.65 r0 top
R30 "R" SMD_0603_RESC1608X55N 63.55,109.25 r270 top
R31 "R" SMD_0603_RESC1608X55N 75.95,93.65 r0 top
R32 "R" SMD_0603_RESC1608X55N 80.25,117.25 r180 top
R33 "R" SMD_0603_RESC1608X55N 82.55,121.75 r180 top
R42 "R" SMD_1206_RESC3216X65N 51.8,106.3 r0 top
R43 "R" SMD_0603_RESC1608X55N 48.7,76 r0 top
R44 "R" SMD_0603_RESC1608X55N 48.7,56.1 r0 top
R45 "R" SMD_0603_RESC1608X55N 48.7,36.2 r0 top
R46 "R" SMD_0603_RESC1608X55N 48.7,16.3 r0 top
R47 "R" SMD_1206_RESC3216X65N 43.95,127.75 r90 top
R48 "R" SMD_1206_RESC3216X65N 61.55,100.55 r0 top
R49 "R" SMD_1206_RESC3216X65N 56.85,100.55 r180 top
R50 "R" SMD_0603_RESC1608X55N 55.65,97.65 r270 top
R51 "R" SMD_0603_RESC1608X55N 55.65,94.45 r270 top
R52 "R" SMD_0603_RESC1608X55N 55.65,97.65 r270 top
R53 "R" SMD_0603_RESC1608X55N 70.357,85.744 r0 top
R54 "R" SMD_0603_RESC1608X55N 66.357,85.744 r0 top
R55 "R" SMD_0603_RESC1608X55N 55.65,94.45 r270 top
R64 "R" SMD_0603_RESC1608X55N 68.7,16.3 r0 top
R65 "R" SMD_0603_RESC1608X55N 68.7,36.2 r0 top
R66 "R" SMD_0603_RESC1608X55N 68.7,56.1 r0 top
R67 "R" SMD_0603_RESC1608X55N 68.7,76 r0 top
TP1 "TEST_POINT_1" SMD_TP_100-254 11.2,81.1 r0 top
TP2 "TEST_POINT_1" SMD_TP_100-254 11.2,61.2 r0 top